# Altium PCB TrackingAntennaControllerPCB.PcbDoc
Units mm, origin at the board's own origin, x right, y up, seen from the top; angles counter-clockwise.
Board outline 70 x 70 mm, 2 copper layers (Top Layer, Bottom Layer); 85 components, 44 nets, 262 pads, 286 vias.
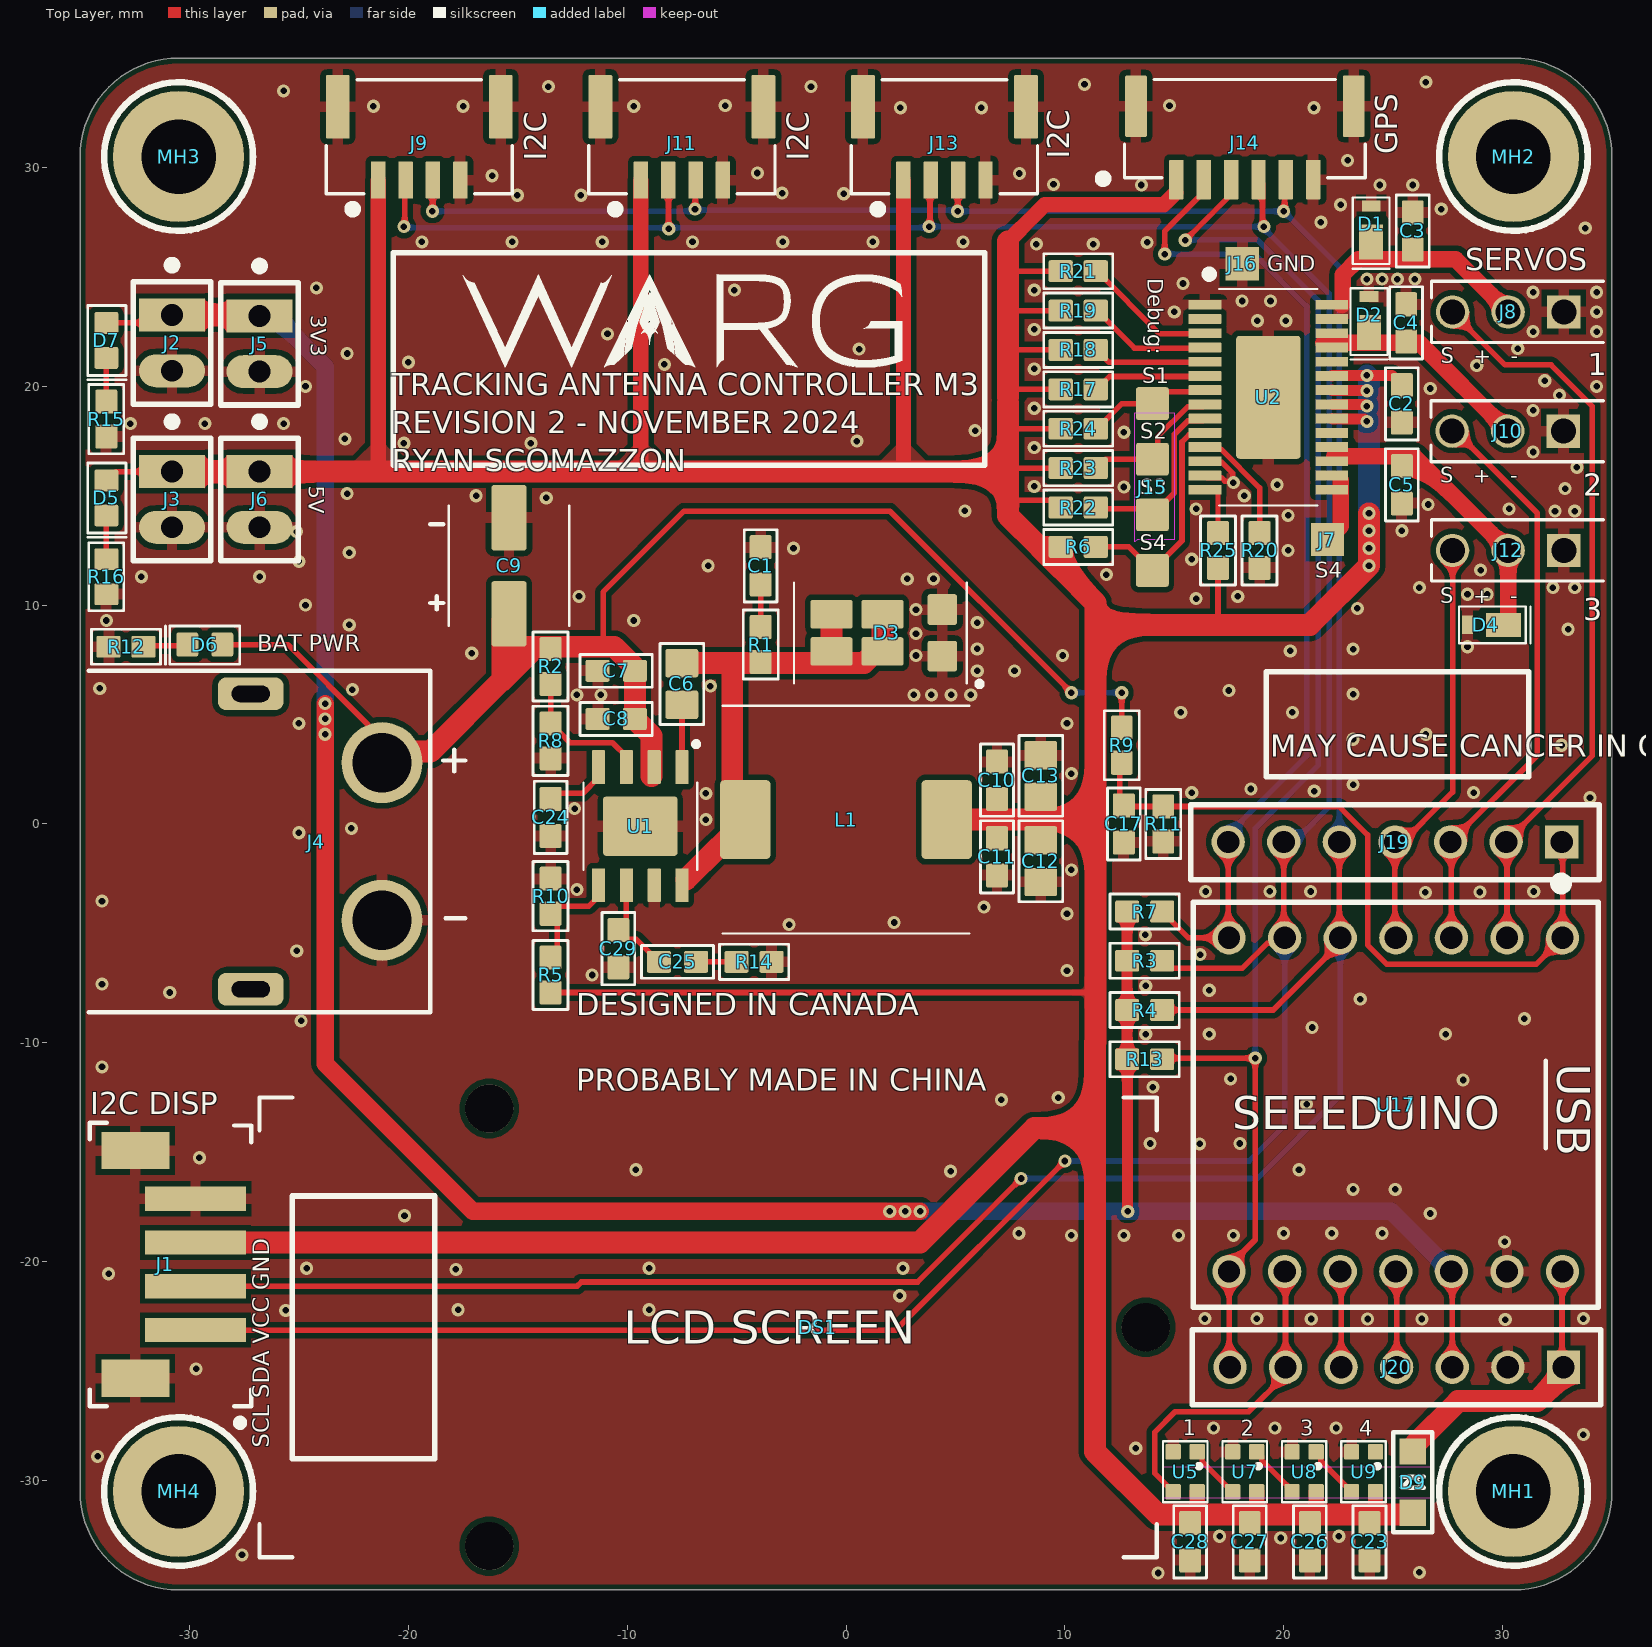
[diagram p0: Top Layer view]
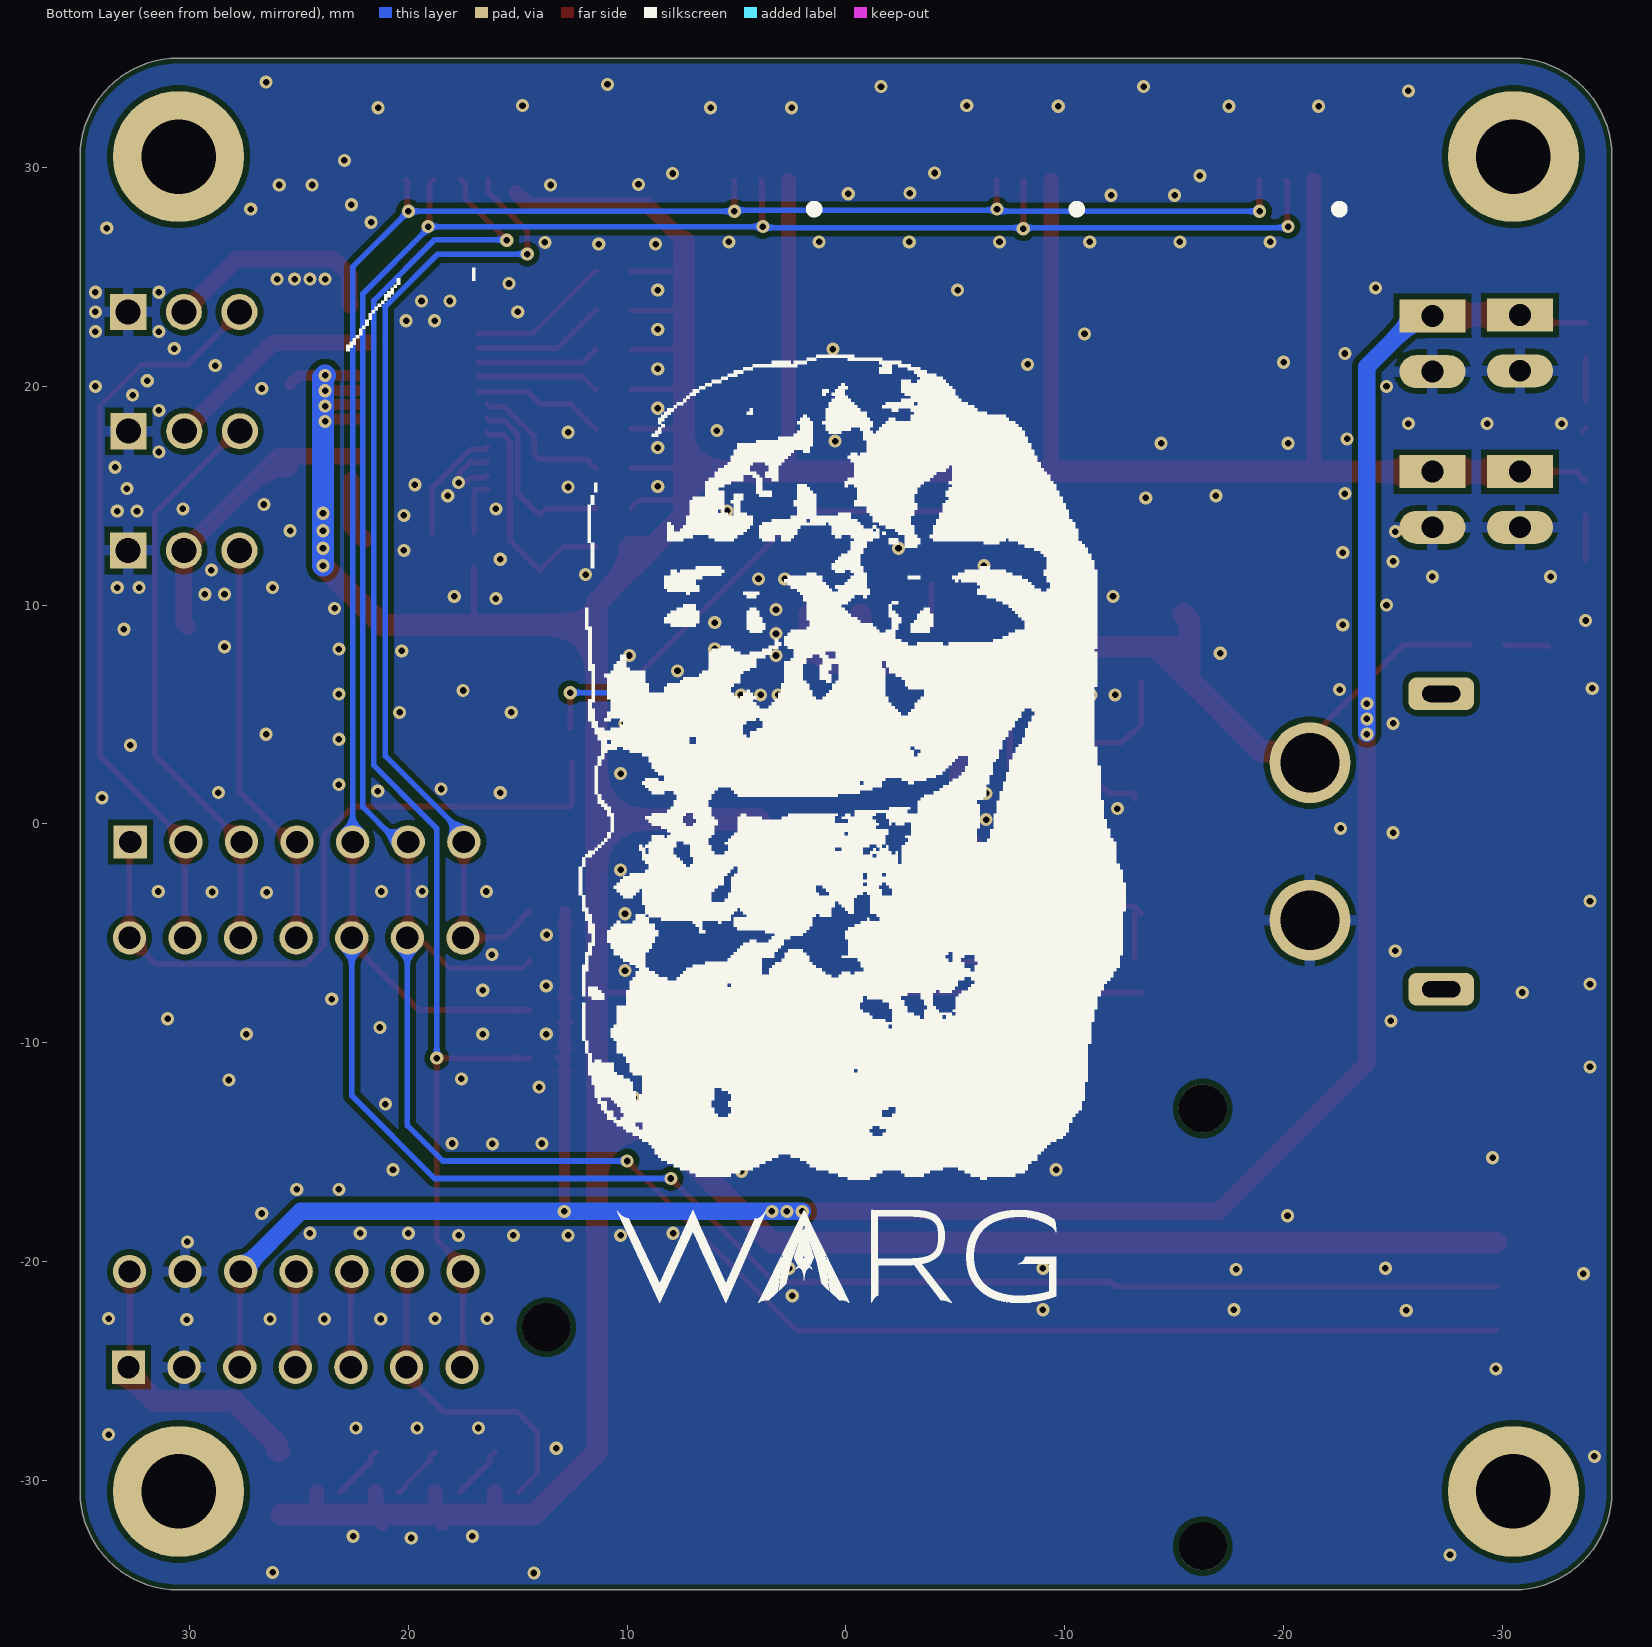
[diagram p1: Bottom Layer view, seen from below]
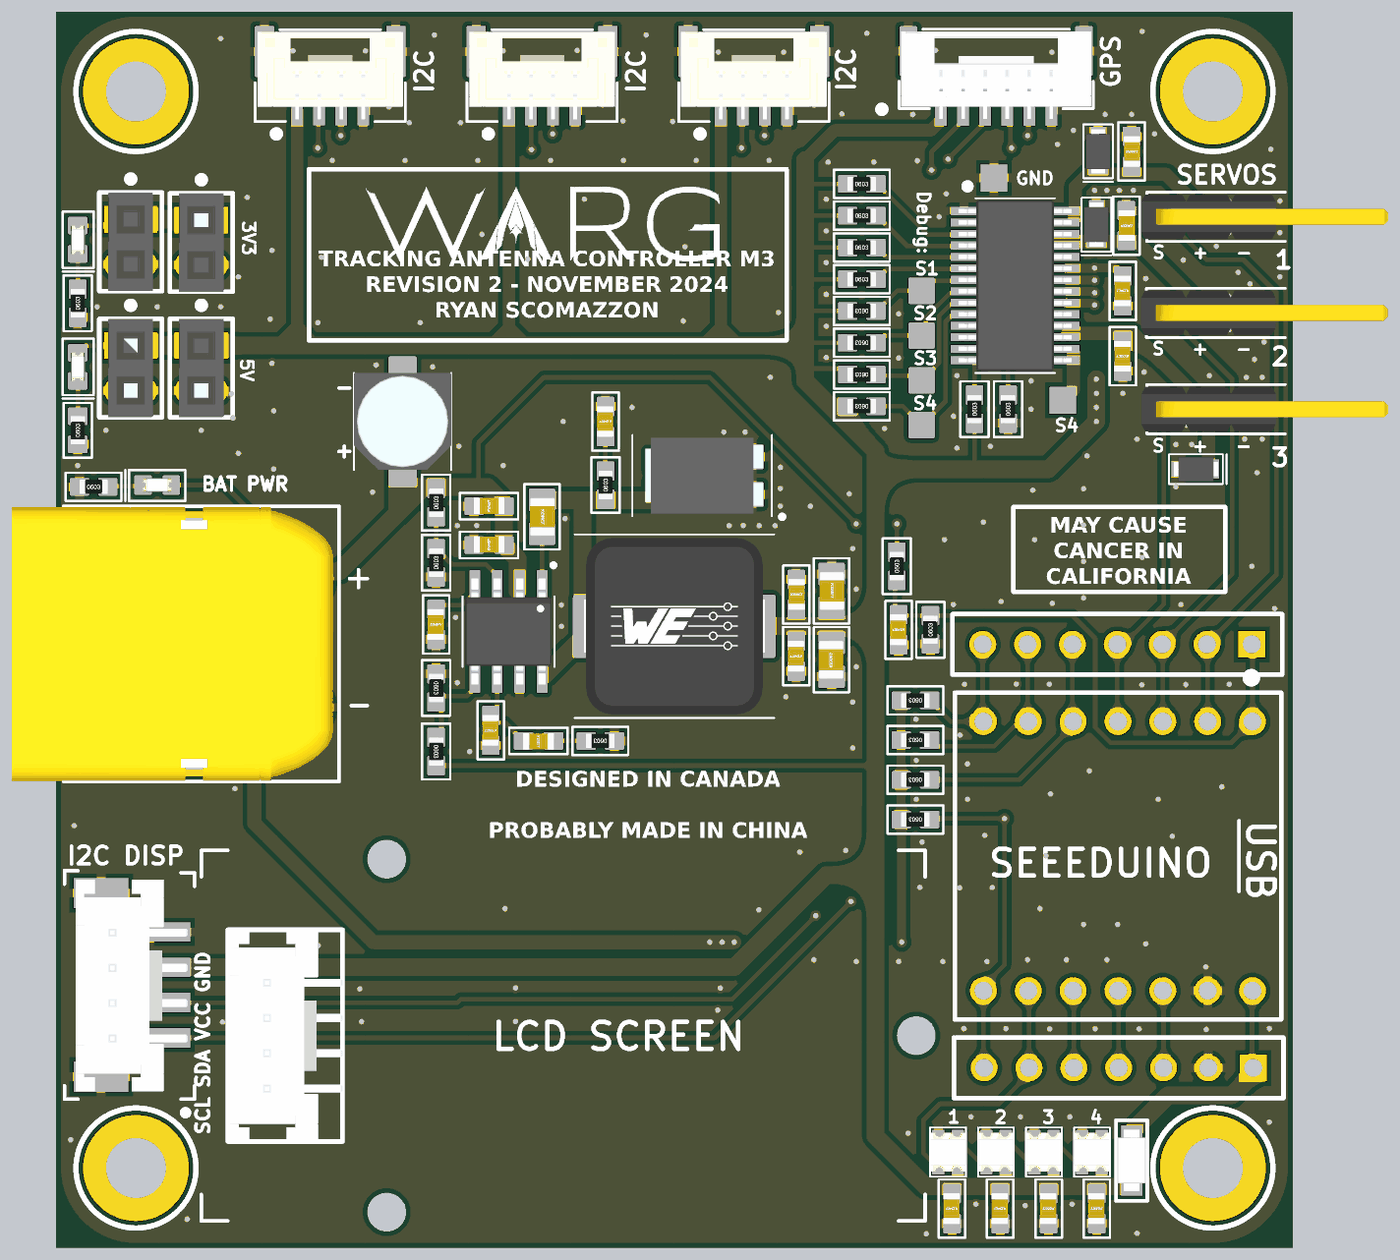
[diagram p2: 3D render of the assembled board from above, using the file's embedded part models]

## Layer stack, top to bottom
Top Solder: solder mask 0.0102, Solder Resist, Dk 3.5
Top Layer: signal copper 0.0356
Dielectric 1: dielectric 0.32, FR-4, Dk 4.8
Bottom Layer: signal copper 0.0356
Bottom Solder: solder mask 0.0102, Solder Resist, Dk 3.5

## Board outline
30.5,35 -30.5,35 ccw(c-30.5,30.5) -35,30.5 -35,-30.5 ccw(c-30.5,-30.5) -30.5,-35 30.5,-35 ccw(c30.5,-30.5) 35,-30.5 35,30.5 ccw(c30.5,30.5)

## Design rules (kind name [scope] priority, off if disabled: settings)
AcuteAngle [All] p1: minimum=6.00000000000000E+0001 checktracksonly=FALSE
BoardOutlineClearance [All] p1: gap=0.254 ignorepadtopadclearanceinfootprint=FALSE except(0: Arc-SplitContinuation Track-SplitContinuation SMDPad-SplitContinuation THPad-SplitContinuation Via-SplitContinuation Fill-SplitContinuation Poly-SplitContinuation Region-SplitContinuation Text-SplitContinuation)
Clearance [All] p1: gap=0.254 ignorepadtopadclearanceinfootprint=FALSE except(0.1: Arc-Arc Arc-Track Arc-SMDPad Track-Track Track-SMDPad SMDPad-SMDPad; 0.2: Arc-Via Track-Via Via-Via; 0.45: THPad-THPad)
HoleSize [All] p1: absolutevalues=TRUE maxlimit=6.3 minlimit=0.3 maxpercent=80.000 minpercent=20.000
MinimumAnnularRing [All] p1: minimumring=0.15
MinimumSolderMaskSliver [All] p1: minsoldermaskwidth=0.1
PlaneConnect [All] p1: planeconnectstyle=Direct reliefexpansion=0.508 reliefentries=4 reliefconductorwidth=0.4 reliefairgap=0.254
PolygonConnect [InNet('GND') vs InNet('GND')] p1: thpad.connectstyle=Relief thpad.reliefconductorwidth=0.5 thpad.reliefentries=4 thpad.polygonreliefangle="90 Angle" thpad.airgapwidth=0.254 smdpad.connectstyle=Relief smdpad.reliefconductorwidth=0.5 smdpad.reliefentries=4 smdpad.polygonreliefangle="90 Angle" smdpad.airgapwidth=0.254 via.connectstyle=Direct via.reliefconductorwidth=0.254 via.reliefentries=4 via.polygonreliefangle="90 Angle" via.airgapwidth=0.254
PolygonConnect PolygonConnect_1 [All] p2: connectstyle=Direct reliefconductorwidth=0.254 reliefentries=4 polygonreliefangle="90 Angle" airgapwidth=0.254
RoutingVias [All] p1: holewidth=0.3 width=0.5 viastyle="Through Hole" minholewidth=0.3 minwidth=0.5 maxholewidth=0.711 maxwidth=1.27
SilkToSilkClearance [All] p1: silktosilkclearance=0.1
SilkToSolderMaskClearance [IsPad] p1: minsilkscreentomaskgap=0.05 clearancetoexposedcopper=TRUE
SolderMaskExpansion SolderMaskExpansion_Via [IsVia] p1: expansion=0.102 istentingtop=TRUE
SolderMaskExpansion [All] p2: expansion=0.05 istentingtop=FALSE
Width [All] p1: maxlimit=10 minlimit=0.1 preferedwidth=0.254 minimp=50.000000 maximp=50.000000 favimp=50.000000
25 further rules are at their usual default settings.

## Classes and differential pairs
component class Power: C1 C2 C3 C4 C5 C6 C7 C8 C9 C10 C11 C12 C13 C17 C24 C25 C29 D1 D2 D3 D4 D5 D6 D7 J2 J3 J4 J5 J6 J7 J15 J16 L1 R1 R2 R5 R6 R8 R9 R10 R11 R12 R14 R15 R16 R17 R18 R19 R20 R21 R22 R23 R24 R25 U1 U2
component class Devices: C23 C26 C27 C28 D9 J19 J20 MH1 MH2 MH3 MH4 U5 U7 U8 U9 U17
component class Breakout_Connectivities: DS1 J1 J8 J9 J10 J11 J12 J13 J14 R3 R4 R7 R13

## Components (designator, comment, footprint, x,y, rotation, side; value= is the part's Value field where it differs from the comment)
C1 ".CAP_0603_DNP" .CAP_0603-Footprint-1 -3.9,11.8 r90 top value=DNP
C2 "GRM188Z71C475KE21J" .CAP_0603-Footprint-1 25.4,19.2 r90 top value=4.7uF
C3 "GRM188Z71C475KE21J" .CAP_0603-Footprint-1 25.9,27.1 r270 top value=4.7uF
C4 "GRM188Z71C475KE21J" .CAP_0603-Footprint-1 25.6,22.9 r270 top value=4.7uF
C5 "GRM188Z71C475KE21J" .CAP_0603-Footprint-1 25.4,15.5 r90 top value=4.7uF
C6 "GCE21BR71H104KA01L" .CAP_0805-Footprint-1 -7.5,6.4 r270 top value=0.1uF
C7 "GMC10X7R105K50NT" .CAP_0603-Footprint-1 -10.5,7 r0 top
C8 "GCM188R71H104KA57D" .CAP_0603-Footprint-1 -10.5,4.8 r0 top value=0.1uF
C9 "865080642006" 865080642006-Footprint-1 -15.4,11.8 r270 top value=10uF
C10 "GCM188R71C104KA37D" .CAP_0603-Footprint-1 6.9,2 r270 top value=0.1uF
C11 "GRM188Z71C475KE21J" .CAP_0603-Footprint-1 6.9,-1.5 r90 top value=4.7uF
C12 "GMC21X7R106K25NT" .CAP_0805-Footprint-1 8.9,-1.7 r90 top
C13 "GMC21X7R106K25NT" .CAP_0805-Footprint-1 8.9,2.2 r270 top
C17 "GCM188R71C105KA64J" .CAP_0603-Footprint-1 12.7,0 r90 top value=1uF
C23 "CGA3E2X7R1H104K080AA" .CAP_0603-Footprint-1 23.925,-32.8 r90 top value=100nF
C24 "GCM188R71H103KA37D" .CAP_0603-Footprint-1 -13.5,0.3 r90 top
C25 "GRM1885C1H222JA01D" .CAP_0603-Footprint-1 -7.7,-6.3 r180 top value=2.2nF
C26 "CGA3E2X7R1H104K080AA" .CAP_0603-Footprint-1 21.2,-32.8 r90 top value=100nF
C27 "CGA3E2X7R1H104K080AA" .CAP_0603-Footprint-1 18.45,-32.8 r90 top value=100nF
C28 "CGA3E2X7R1H104K080AA" .CAP_0603-Footprint-1 15.725,-32.8 r90 top value=100nF
C29 "CC0603JRNPO9BN220" .CAP_0603-Footprint-1 -10.4,-5.7 r90 top value=22pF
D1 "CUHS20S30,H3F" CUHS20S30,H3F-Footprint-1 24,26.6 r180 top
D2 "CUHS20S30,H3F" CUHS20S30,H3F-Footprint-1 23.9,22.45 r180 top
D3 "PMEG100V060ELPEZ" PMEG100V060ELPEZ-Footprint-1 1.57,8.735 r270 top
D4 "CUHS20S30,H3F" CUHS20S30,H3F-Footprint-1 30.05,9.1 r270 top
D5 "LTST-C191KGKT" .LED_0603-Footprint-1 -33.8,14.9 r270 top
D6 "LTST-C191KGKT" .LED_0603-Footprint-1 -29.3,8.2 r180 top
D7 "LTST-C191KGKT" .LED_0603-Footprint-1 -33.8,22.1 r270 top
D9 "CRS15I30B(TE85L,QM" .SCHOTTKY-Footprint-1 25.9,-30.075 r90 top
DS1 "104020208" 104020208-Footprint-1 -6.3,-23 r0 top
J1 "114020163" 114020163-Footprint-1 -29.725,-20.125 r270 top
J2 "PPPC021LFBN-RC" PPPC021LFBN-RC-Footprint-1 -30.8,23.252 r270 top
J3 "PPPC021LFBN-RC" PPPC021LFBN-RC-Footprint-1 -30.8,16.1 r270 top
J4 "XT60PW-M" XT60PW-M-Footprint-1 -21.2,-0.8 r90 top
J5 "PPPC021LFBN-RC" PPPC021LFBN-RC-Footprint-1 -26.8,23.212 r270 top
J6 "PPPC021LFBN-RC" PPPC021LFBN-RC-Footprint-1 -26.8,16.1 r270 top
J7 "BLDC_SOLDER_PAD" BLDC_SOLDER_PAD-Footprint-1#1 25.2,14.5 r0 top
J8 "TSW-101-08-G-T-RA" TSW-101-08-T-T-RA_SAI 32.8,23.4 r270 top
J9 "BM04B-GHS-TBT (LF)(SN)" CONN_BM04B-GHS-TBT_JST -19.5,31.4 r180 top
J10 "TSW-101-08-G-T-RA" TSW-101-08-T-T-RA_SAI 32.78,17.95 r270 top
J11 "BM04B-GHS-TBT (LF)(SN)" CONN_BM04B-GHS-TBT_JST -7.5,31.4 r180 top
J12 "TSW-101-08-G-T-RA" TSW-101-08-T-T-RA_SAI 32.8,12.5 r270 top
J13 "BM04B-GHS-TBT (LF)(SN)" CONN_BM04B-GHS-TBT_JST 4.5,31.4 r180 top
J14 "BM06B-GHS-TBT" BM06B-GHS-TBT-Footprint-1 18.225,31.776 r180 top
J15 "SOLDERPAD_4PIN" SOLDERPAD_4PIN-Footprint-1 14,15.4 r0 top
J16 "BLDC_SOLDER_PAD" BLDC_SOLDER_PAD-Footprint-1#2 18.1,25.6 r0 top
J19 "PPPC071LFBN-RC" PPPC071LFBN-RC-Footprint-1 25.085,-0.825 r270 top
J20 "PPPC071LFBN-RC" PPPC071LFBN-RC-Footprint-1 25.165,-24.825 r270 top
L1 "7443330470" 7443330470-Footprint-1 0,0.2 r0 top value=4.7uH
MH1 "M3HOLE-STANDARD" M3HOLE-STANDARD-Footprint-1 30.5,-30.5 r0 top
MH2 "M3HOLE-STANDARD" M3HOLE-STANDARD-Footprint-1 30.5,30.5 r0 top
MH3 "M3HOLE-STANDARD" M3HOLE-STANDARD-Footprint-1 -30.5,30.5 r0 top
MH4 "M3HOLE-STANDARD" M3HOLE-STANDARD-Footprint-1 -30.5,-30.5 r0 top
R1 ".RES_0603_DNP" .RES_0603-Footprint-1#1 -3.9,8.2 r90 top value=DNP
R2 "RC0603FR-07665KL" .RES_0603-Footprint-1#1 -13.5,7.2 r90 top value=665kR
R3 "RC0603JR-074K7L" .RES_0603-Footprint-1#1 13.65,-6.25 r180 top value=4.7k
R4 "RC0603JR-074K7L" .RES_0603-Footprint-1#1 13.65,-8.5 r180 top value=4.7k
R5 "RC0603FR-0710K2L" .RES_0603-Footprint-1#1 -13.5,-6.9 r270 top value=10.2K
R6 "RC0603FR-0710KL" .RES_0603-Footprint-1#1 10.612,12.662 r180 top value=10k
R7 ".RES_0603_DNP" .RES_0603-Footprint-1#1 13.65,-4 r180 top value=DNP
R8 "RC0603FR-07130KL" .RES_0603-Footprint-1#1 -13.5,3.8 r90 top value=130k
R9 "RC0603FR-0768KL" .RES_0603-Footprint-1#1 12.6,3.6 r90 top value=68k
R10 "RC0603FR-071K96L" .RES_0603-Footprint-1#1 -13.5,-3.3 r270 top value=1.96kR
R11 "AC0603FR-1310KL" .RES_0603-Footprint-1#1 14.5,0 r90 top
R12 "RC0603FR-071KL" .RES_0603-Footprint-1#1 -32.9,8.1 r0 top value=1k
R13 ".RES_0603_DNP" .RES_0603-Footprint-1#1 13.65,-10.75 r180 top value=DNP
R14 "RC0603FR-0737K4L" .RES_0603-Footprint-1#1 -4.2,-6.3 r180 top value=37.4kR
R15 "RC0603FR-07100RL" .RES_0603-Footprint-1#1 -33.8,18.5 r90 top
R16 "RC0603FR-07200RL" .RES_0603-Footprint-1#2 -33.8,11.3 r90 top
R17 "RC0603JR-070RL" .RES_0603-Footprint-1#1 10.612,19.862 r0 top value=0
R18 "RC0603JR-070RL" .RES_0603-Footprint-1#1 10.612,21.662 r0 top value=0
R19 "RC0603JR-070RL" .RES_0603-Footprint-1#1 10.612,23.462 r0 top value=0
R20 "RC0603FR-072KL" .RES_0603-Footprint-1#1 18.9,12.5 r90 top value=2kR
R21 "RC0603JR-070RL" .RES_0603-Footprint-1#1 10.612,25.262 r0 top value=0
R22 "RC0603FR-0710KL" .RES_0603-Footprint-1#1 10.612,14.462 r180 top value=10k
R23 "RC0603FR-0710KL" .RES_0603-Footprint-1#1 10.612,16.262 r180 top value=10k
R24 "RC0603FR-0710KL" .RES_0603-Footprint-1#1 10.612,18.062 r180 top value=10k
R25 "RC0603JR-070RL" .RES_0603-Footprint-1#1 17,12.5 r90 top value=0
U1 "TPS54531DDAR" TPS54531DDAR -9.4,-0.1 r270 top
U2 "TPS4H160AQPWPRQ1" TPS4H160AQPWPRQ1-Footprint-1 19.3,19.5 r0 top
U5 "WS2812B-2020" WS2812B-2020-Footprint-1 15.5,-29.6 r90 top
U7 "WS2812B-2020" WS2812B-2020-Footprint-1 18.217,-29.6 r90 top
U8 "WS2812B-2020" WS2812B-2020-Footprint-1 20.933,-29.6 r90 top
U9 "WS2812B-2020" WS2812B-2020-Footprint-1 23.65,-29.6 r90 top
U17 "SEEEDSTUDIO XIAO ESP32C3 WITH HEADER SOCKET" "Seeed Studio XIAO SAMD21 Header Socket-Footprint-1" 25.125,-12.825 r270 top
